# KiCad board volume-mixer.kicad_pcb (continued)
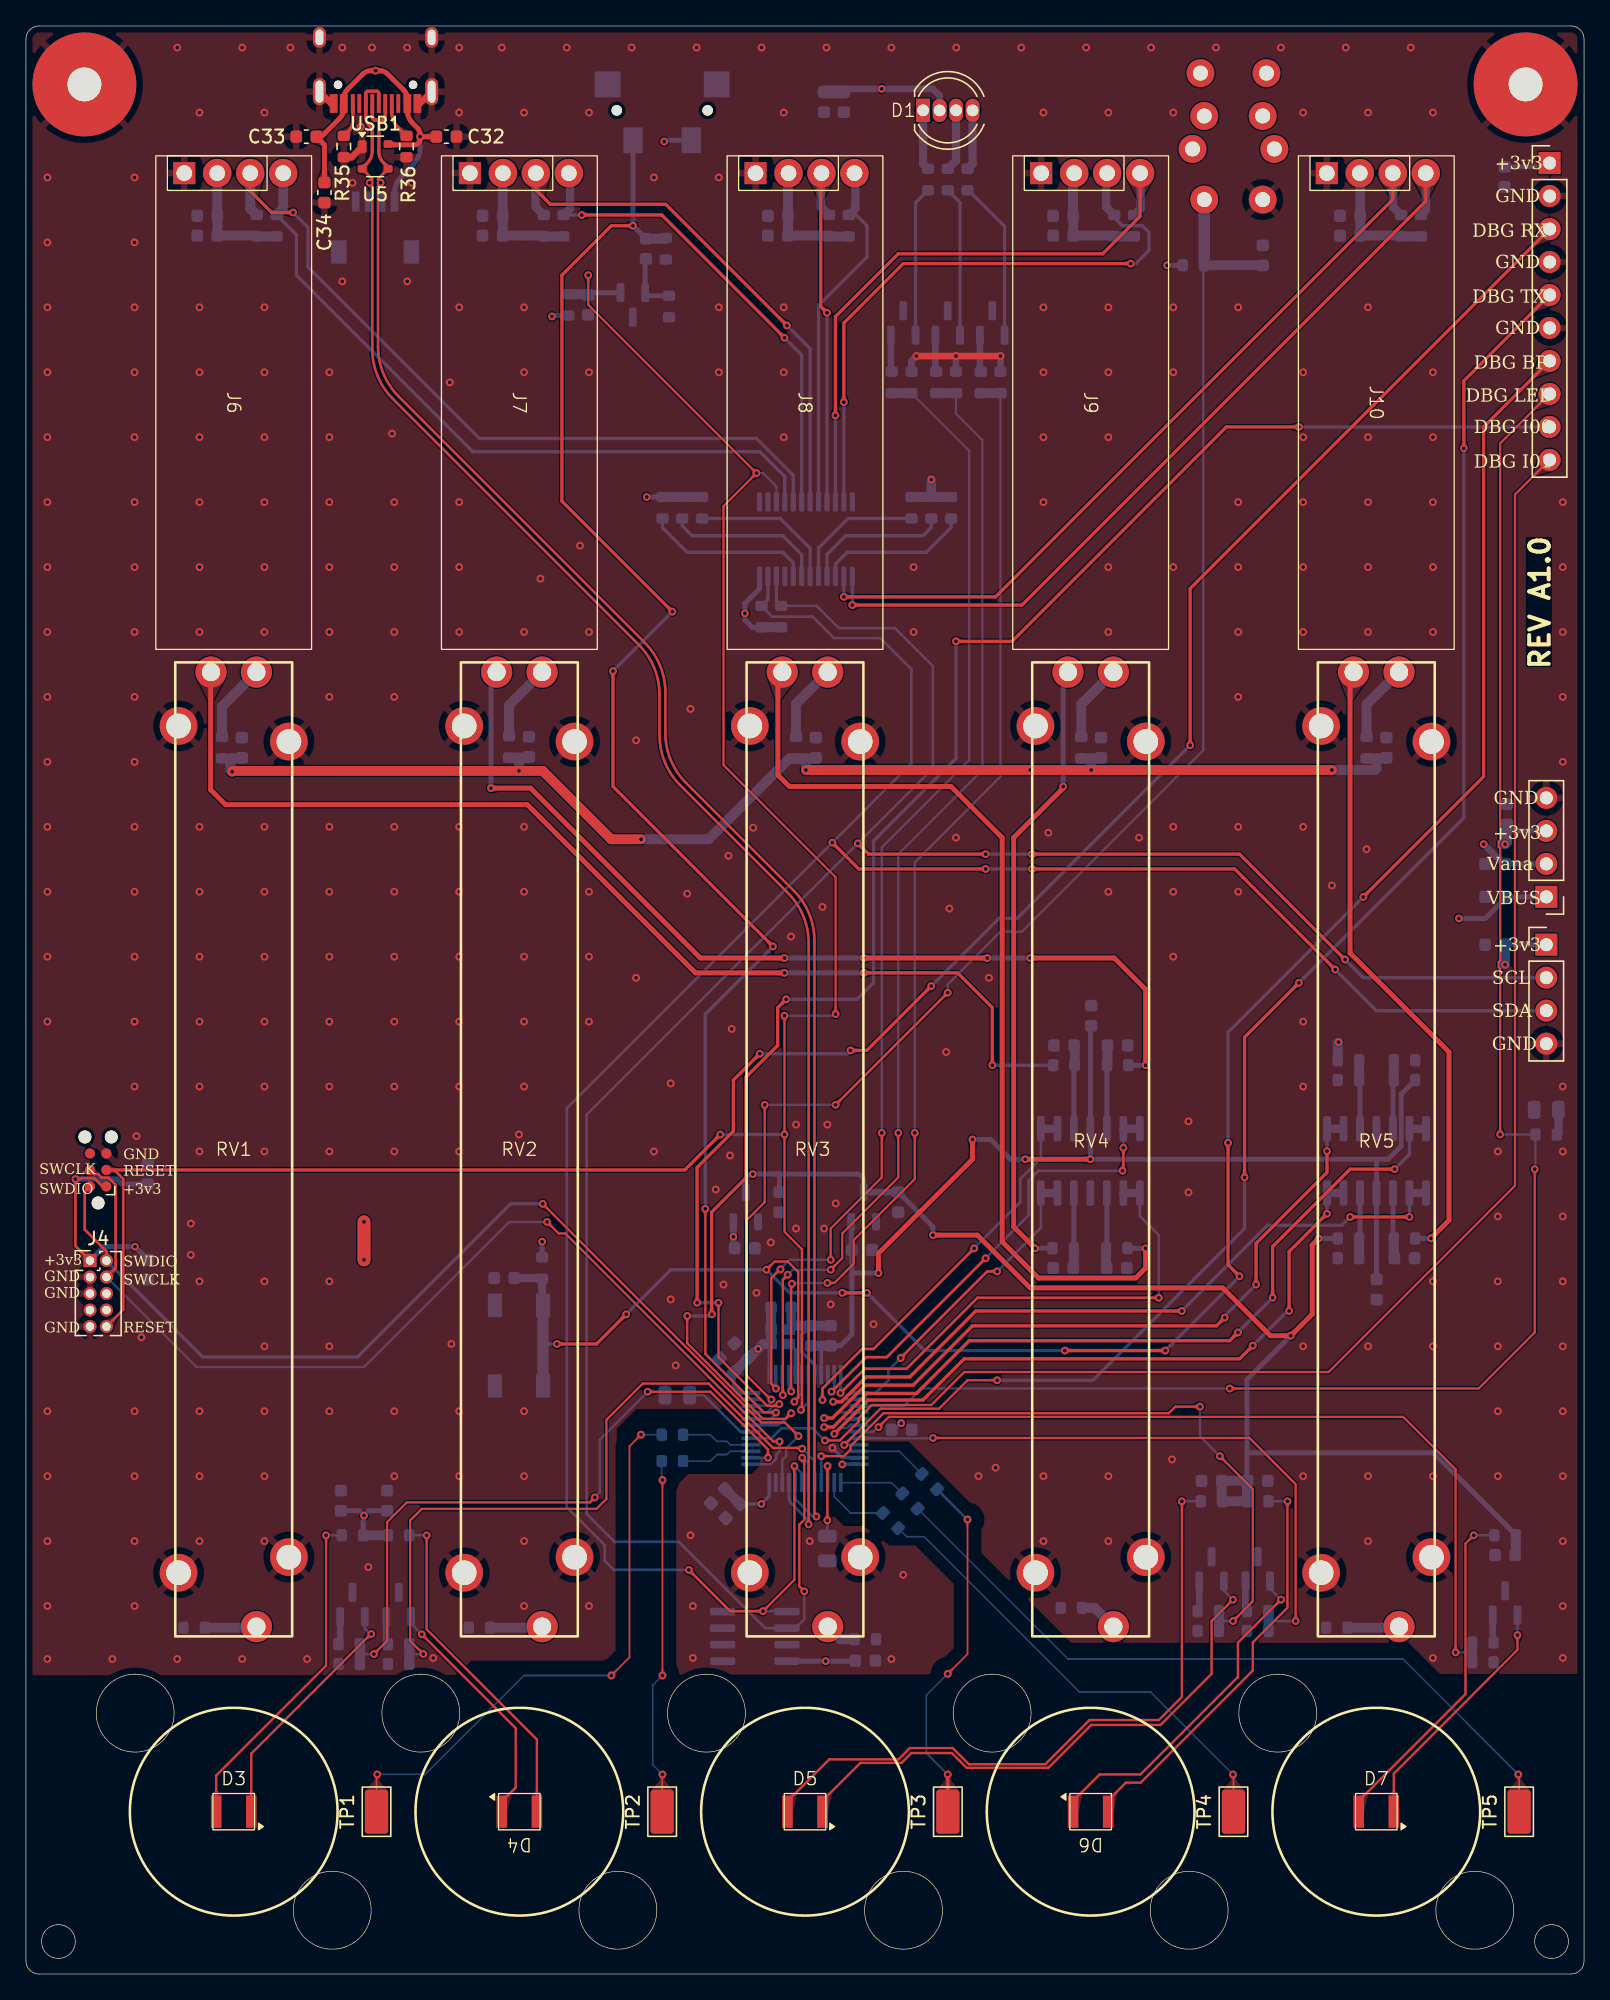
[diagram p0: board, top side]
## Routing (per net, layer and track width the routed paths; a pad name or vN(x,y) marks a point on that pad's centre or on a via; arc(x,y) is an arc through that point) (continued)
PowerOnBP: length 118.4
  Top w0.178: v1(56.9,66.93) 56.9,59.44 55.5,58.04 55.5,46.1 57.37,44.23 v1(57.41,44.23)
  Top w0.203: v1(70.99,75.56) v1(62.36,66.93)
  Bottom w0.178: U1.46 57.08,43.75 57.41,44.07 v1(57.41,44.23) ; R37.2 90.68,131.51 90.68,94.23 76.71,80.26 75.06,80.26 70.99,76.2 v1(70.99,75.56) ; v1(62.36,66.93) v1(56.9,66.93)
  Bottom w0.762: C46.1 95.24,131.57 R37.2
  Bottom w0.889: SW3.2 90.74,136.62 R37.2
Slider0: length 31.8
  Top w0.203: v1(73.02,55.88) 65.28,48.13 64.39,48.13 61.34,45.09 v1(61.34,44.2)
  Bottom w0.178: U1.10 61.75,45.47 61.34,45.06 v1(61.34,44.2)
  Bottom w0.203: v1(73.02,55.88) 76.58,59.44 76.58,61.21 78.17,62.8 U7.1
  Bottom w0.635: U7.1 U7.2
Slider1: length 37
  Top w0.203: v1(62.04,44.84) 64.7,47.5 66.29,47.5 v1(73.91,55.12) ; v1(84.45,61.85) 84.52,61.91 v1(84.52,63.63)
  Bottom w0.203: v1(84.45,61.85) 77.97,61.85 77.22,61.09 77.22,58.42 v1(73.91,55.12) ; v1(62.04,44.84) 62.25,45.05 U1.11 ; v1(84.52,63.63) U7.6
  Bottom w0.635: U7.6 U7.7
Slider2: length 39
  Top w0.203: v1(87.25,52.07) 73.28,52.07 67.82,46.61 64.61,46.61 v1(62.73,44.74)
  Bottom w0.203: 62.77,44.74 v1(62.73,44.74) 62.73,46.15 U1.12 ; v1(87.25,52.07) 87.25,56.9 85.79,58.36 U7.8
  Bottom w0.635: U7.9 U7.8
Slider3: length 23.7
  Top w0.203: v1(67.37,47.43) 74.04,54.1 v1(74.8,54.1)
  Bottom w0.203: U7.14 78.17,57.47 v1(74.8,54.1) ; U1.13 65.45,44.75 66.42,45.72 66.42,46.48 v1(67.37,47.43)
  Bottom w0.635: U7.14 U7.13
Slider4: length 55.5
  Top w0.254: v1(62.16,44.07) 62.81,44.07 64.72,45.97 68.07,45.97 73.15,51.05 v1(89.03,51.05) ; v1(101.98,58.29) v1(106.55,58.29)
  Bottom w0.178: U1.14 62.88,44.25 62.7,44.07 v1(62.16,44.07)
  Bottom w0.254: v1(101.98,58.29) 101.35,57.66 95.63,57.66 v1(89.03,51.05) ; v1(106.55,58.29) U8.2
  Bottom w0.635: U8.2 U8.1
SLIDER_0_mute : length 5.6
  Bottom w0.127: 50.61,41.53 52.7,41.53 53.21,41.02 53.97,41.02 54.24,40.75 U1.40
SLIDER_1_mute : length 5.5
  Bottom w0.127: 50.61,39.5 52.7,39.5 53.21,40 53.98,40 54.23,40.25 U1.39
SLIDER_2_mute : length 5.6
  Bottom w0.127: R32.2 67.25,40.25 U1.22
SLIDER_3_mute : length 5.4
  Bottom w0.127: R33.2 63.5,35.5 62.25,36.75 U1.26
SLIDER_4_mute : length 5.1
  Bottom w0.127: U1.25 66.66,37.84 R34.2
Vana: length 243.6
  Top w0.381: v1(81.98,62.74) v1(76.96,62.74) ; v1(65.66,53.97) 65.66,55.5 72.9,62.74 v1(72.9,64.26)
  Top w0.762: v1(47.37,87.38) 45.07,87.38 39.81,92.64 v1(37.97,92.64) 15.93,92.64 v1(15.87,92.58) ; v1(100.58,92.71) v1(82.04,92.71) v1(77.34,92.71) v1(60.07,92.71)
  In2.Cu w0.508: v1(72.9,64.26) 72.9,88.27 v1(77.34,92.71) ; v1(112.27,87) 106.3,87 v1(100.58,92.71)
  Bottom w0.254: U1.9 61.25,48.34 61.21,48.37
  Bottom w0.381: v1(72.9,64.26) 74.29,64.26 75.82,62.74 v1(76.96,62.74) ; U7.4 v1(81.98,62.74) 104.9,62.74 105.92,63.75 105.92,67.75 R69.1 ; U7.4 81.98,72.95 C49.1 ; U7.4 82.04,65.02 ; U7.4 82.04,65.15 ; C17.1 117.09,85.48 ; 63.61,53.97 C31.1 63.57,55.8 U4.2 ; 63.61,53.97 v1(65.66,53.97) ; 63.61,53.97 63.61,49.26 62.72,48.37 C13.1 ; C50.1 104.01,53.49 U8.4 104.01,62.74
  Bottom w0.508: v1(112.27,87) 113.78,85.48 C17.1
  Bottom w0.762: C47.1 16.57,93.6 15.87,93.6 ; 60.07,93.6 v1(60.07,92.71) ; 60.07,93.6 60.78,93.6 C53.1 ; 60.07,93.6 R64.2 58.8,93.6 52.58,87.38 v1(47.37,87.38) ; R71.2 81.91,93.6 ; 81.91,93.6 82.75,93.6 C55.1 ; 81.91,93.6 82.04,93.47 v1(82.04,92.71) ; 15.87,93.6 15.75,93.47 15.75,92.71 v1(15.87,92.58) ; 15.87,93.6 R56.2 ; C13.1 C14.1 ; C57.1 104.72,93.6 104.14,93.6 ; R74.2 104.14,93.6 ; 104.14,93.6 104.01,93.47 104.01,92.84 103.89,92.71 v1(100.58,92.71) ; C51.1 38.68,93.66 37.97,93.66 ; 37.97,93.66 R59.2 ; 37.97,93.66 v1(37.97,92.64)
Vref ana: length 62.3
  Top w0.254: v1(105.41,61.98) 101.98,61.98 96.01,56.01 v1(96.01,52.07) ; v1(93.34,49.4) 92.71,48.77 72.64,48.77 68.58,44.7 64.77,44.7 62.18,42.11 61.47,42.11 v1(61.47,42.11)
  Bottom w0.178: U1.17 62.82,42.75 62.18,42.11 v1(61.47,42.11)
  Bottom w0.254: U8.13 106.55,63.12 v1(105.41,61.98) ; v1(96.01,52.07) v1(93.34,49.4)
  Bottom w0.635: U8.13 U8.14
Vref digi: length 56
  Top w0.254: v1(94.74,53.09) 94.74,56.26 100.2,61.72 v1(100.2,63.37) ; v1(92.33,50.55) 91.69,49.91 72.9,49.91 68.33,45.34 64.65,45.34 62.12,42.81 v1(61.47,42.81)
  Bottom w0.203: v1(61.47,42.81) 62.1,42.81 62.54,43.25 U1.16
  Bottom w0.254: v1(92.33,50.55) 92.33,50.67 v1(94.74,53.09) ; v1(100.2,63.37) U8.8
  Bottom w0.635: U8.8 U8.9
Vref USB: length 52.7
  Top w0.254: v1(100.2,58.55) 97.28,55.63 v1(97.28,51.05) ; v1(62.26,41.59) 64.86,44.2 69.09,44.2 72.26,47.37 93.47,47.37 v1(94.49,48.39)
  Bottom w0.178: U1.18 63.46,42.25 63.25,42.04 62.7,42.04 v1(62.26,41.59)
  Bottom w0.254: v1(94.49,48.39) 97.15,51.05 v1(97.28,51.05) ; U8.7 v1(100.2,58.55)
  Bottom w0.635: U8.7 U8.6
Net-(D1-BK): length 4.7
  Bottom w0.635: D1.4 72.9,139.39 72.52,139
Net-(D1-GK): length 4.8
  Bottom w0.635: D1.3 71.63,139.64 70.99,139
Net-(D1-RK): length 4.7
  Bottom w0.635: 69.47,139 69.09,139.38 D1.2
Net-(D2-A): length 2
  Bottom w0.635: D2.2 118.03,64.77 R6.1
Net-(D3-A): length 26
  Top w0.178: D3.2 14.65,15.28 23.11,23.75 v1(23.11,33.78)
  Bottom w0.178: v1(23.11,33.78) R1.2
Net-(D3-K): length 19.1
  Top w0.178: v1(26.59,26.18) 26.56,26.18 17.35,16.97 D3.1
  Bottom w0.178: Q1.1 26.1,26.61 26.54,26.16 26.58,26.16 v1(26.59,26.18)
Net-(D4-A): length 26.1
  Top w0.178: D4.2 39.35,18.05 30.86,26.54 v1(30.86,33.78)
  Bottom w0.178: v1(30.86,33.78) R2.2
Net-(D4-K): length 18.8
  Top w0.178: v1(30.48,26.16) 37.72,18.92 37.72,14.35 36.65,13.28 D4.1
  Bottom w0.178: v1(30.48,26.16) 29.65,26.99 Q2.1
Net-(D5-A): length 52.1
  Top w0.178: D5.2 58.65,13.31 61.87,16.53 67.21,16.53 68.07,17.4 71.37,17.4 72.62,16.15 78.51,16.15 81.92,19.56 87.25,19.56 89.03,21.34 v1(89.03,36.4)
  Bottom w0.178: v1(89.03,36.4) R3.2
Net-(D5-K): length 43.9
  Top w0.178: v1(92.96,28.83) 91.31,27.18 91.31,23.11 87.38,19.18 82.04,19.18 78.74,15.88 72.45,15.88 71.31,17.02 68.2,17.02 67.44,16.26 64.26,16.26 61.35,13.34 D5.1
  Bottom w0.178: 92.26,30.26 92.26,29.53 v1(92.96,28.83)
Net-(D6-A): length 31.8
  Top w0.178: v1(97.15,36.4) 97.15,29.03 97.15,28.19 94.49,25.53 94.49,23.37 85.85,14.73 84.71,14.73 83.35,13.37 D6.2
  Bottom w0.178: v1(97.15,36.4) R4.2
Net-(D6-K): length 26.6
  Top w0.178: D6.1 80.65,13.33 82.68,15.37 85.84,15.37 93.34,22.87 93.34,25.53 96.65,28.83 v1(96.67,28.83)
  Bottom w0.178: Q4.1 95.82,29.68 v1(96.67,28.83)
Net-(D7-A): length 26.5
  Top w0.178: D7.2 102.65,13.34 110.87,21.56 110.87,33.15 v1(111.51,33.78)
  Bottom w0.178: v1(111.51,33.78) R5.2
Net-(D7-K): length 19.2
  Top w0.178: D7.1 105.35,15.43 114.87,24.95 v1(114.87,26.1)
  Bottom w0.178: v1(114.87,26.1) Q5.1 114.81,27.58
Net-(Q1-G): length 2.2
  Bottom w0.508: Q1.2 24.2,25.53 R11.2
Net-(Q2-G): length 2.2
  Bottom w0.508: Q2.2 27.75,25.53 R13.2
Net-(Q3-G): length 2.4
  Bottom w0.508: R15.2 90.36,28.07 Q3.2
Net-(Q4-G): length 2.4
  Bottom w0.508: Q4.2 93.92,28.06 R17.2
Net-(Q5-G): length 2.1
  Bottom w0.508: R19.2 112.97,25.59 112.97,27.64
Net-(Q6-D): length 11.6
  Bottom w0.254: Q6.1 68.51,136.4 R7.1
Net-(Q6-G): length 2.8
  Bottom w0.508: R20.2 66.61,123.44 Q6.2
Net-(Q7-D): length 11.6
  Bottom w0.254: Q7.1 71.94,136.4 R8.1
Net-(Q7-G): length 2.8
  Bottom w0.508: R21.2 70.04,123.44 70.04,126.19
Net-(Q8-D): length 12.4
  Bottom w0.254: R9.1 72.58,137.35 75.37,134.56 Q8.1
Net-(Q8-G): length 2.8
  Bottom w0.508: Q8.2 73.47,123.44 R22.2
Net-(Q9-G): length 4.6
  Bottom w0.381: C23.2 47.69,132 Q9.2 47.93,129.22 R29.1
Net-(R56-Pad1): length 6.1
  Bottom w0.762: R56.1 15.1,97.6 RV1.1
Net-(R57-Pad1): length 85.4
  Top w0.254: v1(64.52,77.09) 71.75,77.09 74.42,74.42 v1(74.42,69.98)
  Top w0.381: RV1.2 14.22,100.22 14.22,91.19 15.37,90.04 38.61,90.04 51.56,77.09 v1(58.42,77.09)
  Bottom w0.254: R57.1 v1(74.42,69.98)
  Bottom w0.381: v1(58.42,77.09) v1(64.52,77.09)
Net-(R58-Pad2): length 4
  Bottom w0.762: RV1.3 17.67,26.67 R58.2
Net-(R59-Pad1): length 6
  Bottom w0.762: RV2.1 37.21,97.71 R59.1
Net-(R60-Pad1): length 73.1
  Top w0.381: v1(86.23,69.98) 86.23,75.82 83.82,78.23 v1(77.34,78.23) ; v1(35.81,91.31) 38.86,91.31 51.94,78.23 v1(58.42,78.23) ; v1(64.52,78.23) v1(74.04,78.23)
  Bottom w0.381: RV2.2 35.81,99.81 v1(35.81,91.31) ; v1(58.42,78.23) v1(64.52,78.23) ; R60.1 v1(86.23,69.98) ; v1(74.04,78.23) v1(77.34,78.23)
Net-(R61-Pad2): length 4
  Bottom w0.762: R61.2 39.67,26.67 RV2.3
Net-(R64-Pad1): length 6
  Bottom w0.762: R64.1 59.31,97.81 RV3.1
Net-(R66-Pad1): length 73.9
  Top w0.381: v1(86.23,55.88) 86.23,54.36 85.47,53.59 77.98,53.59 75.18,56.39 75.18,87.5 71.25,91.44 58.8,91.44 57.91,92.33 57.91,99.91 RV3.2
  Bottom w0.381: R66.1 v1(86.23,55.88)
Net-(R68-Pad2): length 2.5
  Bottom w0.762: R68.2 62.72,25.78 RV3.3
Net-(R71-Pad1): length 6
  Bottom w0.762: RV4.1 81.28,97.78 R71.1
Net-(R72-Pad1): length 48.1
  Top w0.381: v1(77.72,55.88) 76.07,57.53 76.07,87.5 79.88,91.31 v1(79.88,91.44)
  Bottom w0.381: R72.1 v1(77.72,55.88) ; v1(79.88,91.44) 79.88,99.88 RV4.2
Net-(R73-Pad2): length 3
  Bottom w0.762: RV4.3 82.31,28.19 R73.2
Net-(R74-Pad1): length 6
  Bottom w0.762: R74.1 103.25,97.75 RV5.1
Net-(R75-Pad1): length 48.7
  Top w0.381: RV5.2 101.98,99.98 101.98,78.61 109.6,70.99 109.6,58.04 v1(108.2,56.64)
  Bottom w0.381: R75.1 v1(108.2,56.64)
Net-(R76-Pad2): length 4
  Bottom w0.762: RV5.3 105.67,26.67 R76.2
Net-(U7A-+): length 6.4
  Bottom w0.381: 80.72,69.98 80.71,69.96 U7.3
  Bottom w0.762: 80.72,69.98 80.77,70.03 80.77,71.5
Net-(U7B-+): length 6.4
  Bottom w0.381: U7.5 83.25,69.98
  Bottom w0.762: 83.25,69.98 83.3,70.03 C52.1
Net-(U7C-+): length 5.9
  Bottom w0.381: U7.10 83.25,55.89 83.24,55.88
  Bottom w0.762: R66.2 83.19,54.41 C54.1 ; 83.24,54.41 83.19,54.36
Net-(U7D-+): length 5.8
  Bottom w0.381: U7.12 R72.2
  Bottom w0.762: C56.1 80.71,54.41 R72.2
Net-(U8A-+): length 5.1
  Bottom w0.381: R75.2 105.28,56.71 U8.3
  Bottom w0.762: R75.2 105.35,55.17 C58.1
Net-(U8B-+): length 5
  Bottom w0.381: R62.2 102.74,56.71 U8.5
  Bottom w0.762: R62.2 R63.1
Net-(U8C-+): length 5.3
  Bottom w0.381: R67.1 102.74,68.77 U8.10
  Bottom w0.762: R65.2 R67.1
Net-(U8D-+): length 5.3
  Bottom w0.381: R69.2 105.28,68.77 U8.12
  Bottom w0.762: R70.1 R69.2
Net-(USB1-CC1): length 2.9
  Top w0.254: USB1.4 28.17,143.35 arc(28.3,142.72) 28.65,142.19 29.31,141.54
Net-(USB1-CC2): length 2.7
  Top w0.254: USB1.10 25.17,142.73 arc(25.08,142.27) 24.83,141.89 24.48,141.54

## Copper pours and planes (outline as drawn; the poured copper is in the pictures)
GND on Top, Bottom, In1.Cu, In2.Cu: -2.5,152.5 122.5,152.5 122.43,23.11 -2.5,23

Small or netless copper shapes (teardrops, artwork), in the pictures only: 250 on Top, 539 on Bottom, 27 on In2.Cu

## Text on the board
Top: REV A1.0
F.Silkscreen: REV A1.0 | SWCLK | SWDIO | +3v3 | GND | RESET | DBG LED | DBG RX | DBG TX | DBG BP | DBG I00 | DBG I01 | Vana | VBUS | SCL | SDA
